# Allegro board DPU_PoE_A1_Oct-13.brd (continued)
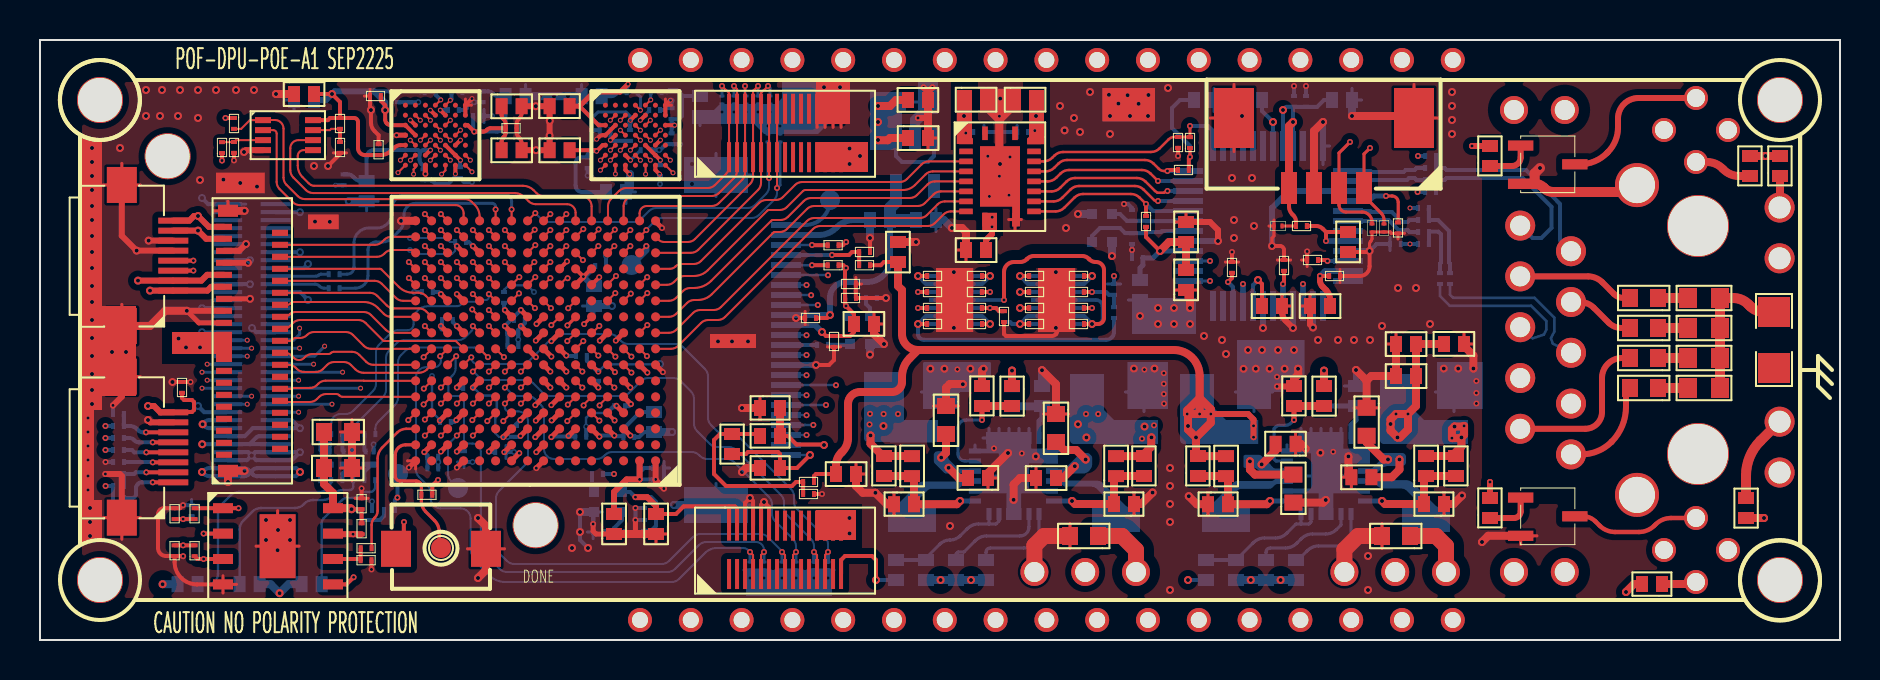
[diagram p0: board, top side]
## Routing (per net, layer and track width the routed paths; a pad name or vN(x,y) marks a point on that pad's centre or on a via; arc(x,y) is an arc through that point) (continued)
  TOP w0.102: U5.F6 v1(27.12,12.62)
  SIG-6 w0.102: v1(38.33,13.24) 37.21,13.24 arc(37.09,13.22) 36.99,13.15 36.97,13.13 arc(36.94,13.11) 36.89,13.1 32.87,13.1 32.79,13.01 32.12,13.01 arc(32.09,13) 32.05,12.98 arc(32.01,12.95) 31.95,12.94 26.83,12.94 arc(26.72,12.98) 26.68,13.09 26.68,13.54 arc(26.6,13.72) 26.42,13.8 26.06,13.8 arc(25.93,13.75) 25.88,13.62 25.88,12.24 arc(25.91,12.17) 25.98,12.14 27.03,12.14 arc(27.1,12.17) 27.13,12.24 27.13,12.61 v1(27.12,12.62)
  BOTTOM w0.125: J7.16 38.32,13.25 v1(38.33,13.24)
DVP_D6: length 17.7
  TOP w0.102: v1(29.57,13.37) U5.G3
  SIG-6 w0.102: v1(29.57,13.37) 30.08,13.37 30.18,13.47 30.18,13.6 30.28,13.7 30.48,13.7 30.59,13.6 30.59,13.47 30.69,13.37 30.89,13.37 30.99,13.47 30.99,13.6 31.09,13.7 31.3,13.7 31.4,13.6 31.4,13.47 31.5,13.37 31.77,13.37 32.2,13.8 32.7,13.8 33.15,14.25 33.38,14.25 33.48,14.15 33.48,13.6 33.58,13.5 33.78,13.5 33.89,13.6 33.89,14.15 33.99,14.25 34.19,14.25 34.29,14.15 34.29,13.6 34.39,13.5 34.6,13.5 34.7,13.6 34.7,14.15 34.8,14.25 35,14.25 35.11,14.15 35.11,13.6 35.21,13.5 35.41,13.5 35.51,13.6 35.51,14.15 35.61,14.25 35.82,14.25 35.92,14.15 35.92,13.6 36.02,13.5 36.22,13.5 36.33,13.6 36.33,14.15 36.43,14.25 36.87,14.25 36.97,14.15 36.97,13.7 37.07,13.6 37.28,13.6 37.38,13.7 37.38,14.15 37.48,14.25 v1(38.33,14.25)
  BOTTOM w0.125: J7.14 v1(38.33,14.25)
DVP_D7: length 17.7
  TOP w0.102: v1(30.34,14.19) U5.H2
  SIG-6 w0.102: v1(30.34,14.19) 30.38,14.15 30.52,14.15 arc(30.63,14.2) 30.68,14.31 30.68,14.43 arc(30.6,14.61) 30.42,14.69 29.58,14.69 arc(29.46,14.71) 29.37,14.78 29.34,14.8 arc(29.31,14.88) 29.34,14.95 29.36,14.97 arc(29.44,15.02) 29.54,15.04 31.17,15.04 arc(31.49,14.9) 31.63,14.58 31.63,14.28 arc(31.69,14.15) 31.82,14.09 31.84,14.09 arc(31.97,14.15) 32.03,14.28 32.03,15.14 arc(31.99,15.25) 31.88,15.29 31.85,15.29 arc(31.72,15.32) 31.61,15.39 31.61,15.39 arc(31.56,15.5) 31.61,15.62 31.62,15.63 arc(31.69,15.67) 31.77,15.69 32.29,15.69 arc(32.42,15.63) 32.48,15.5 32.48,15.41 arc(32.5,15.3) 32.57,15.21 arc(32.67,15.16) 32.77,15.21 32.8,15.24 arc(32.83,15.28) 32.84,15.33 32.84,15.55 arc(32.85,15.6) 32.88,15.64 32.89,15.65 arc(32.93,15.68) 32.98,15.69 33.4,15.69 arc(33.45,15.7) 33.49,15.73 33.51,15.74 arc(33.53,15.78) 33.54,15.83 33.54,15.85 arc(33.55,15.9) 33.58,15.94 33.59,15.95 arc(33.63,15.98) 33.68,15.99 33.7,15.99 arc(33.75,15.98) 33.79,15.95 33.81,15.94 arc(33.84,15.89) 33.85,15.84 33.85,15.82 arc(33.88,15.74) 33.95,15.71 34.04,15.71 arc(34.08,15.72) 34.12,15.74 arc(34.14,15.78) 34.15,15.83 34.15,15.85 arc(34.16,15.9) 34.19,15.94 arc(34.22,15.96) 34.26,15.97 34.35,15.97 arc(34.39,15.96) 34.42,15.94 arc(34.45,15.89) 34.46,15.84 arc(34.5,15.75) 34.58,15.71 34.76,15.71 arc(34.8,15.72) 34.83,15.74 34.98,15.89 arc(35.17,15.97) 35.35,15.89 35.45,15.79 arc(35.54,15.73) 35.64,15.71 35.87,15.71 arc(35.91,15.72) 35.94,15.74 arc(35.97,15.78) 35.98,15.83 35.98,15.85 arc(35.99,15.9) 36.02,15.94 36.03,15.95 arc(36.07,15.98) 36.12,15.99 36.14,15.99 arc(36.19,15.98) 36.23,15.95 36.25,15.93 arc(36.28,15.89) 36.29,15.84 arc(36.33,15.75) 36.42,15.71 36.66,15.71 arc(36.89,15.67) 37.08,15.54 37.23,15.39 arc(37.4,15.28) 37.59,15.24 v1(38.33,15.24)
  BOTTOM w0.125: J7.12 38.33,15.25 v1(38.33,15.24)
DVP_HSYNC: length 18.7
  TOP w0.102: v1(29.57,14.17) U5.H3
  SIG-6 w0.102: v1(38.89,16.75) 38.88,16.74 37.14,16.74 arc(36.95,16.7) 36.78,16.59 36.69,16.5 arc(36.48,16.41) 36.27,16.5 36.26,16.51 arc(36.05,16.59) 35.85,16.51 35.78,16.44 arc(35.63,16.38) 35.48,16.44 35.39,16.53 arc(35.16,16.63) 34.92,16.53 34.81,16.42 arc(34.55,16.31) 34.3,16.42 34.16,16.56 arc(34.02,16.66) 33.84,16.69 33.73,16.69 arc(33.66,16.66) 33.63,16.59 33.63,16.48 arc(33.61,16.4) 33.57,16.33 33.53,16.29 arc(33.48,16.25) 33.42,16.24 33.39,16.24 arc(33.33,16.25) 33.29,16.28 33.27,16.3 arc(33.24,16.34) 33.23,16.4 33.23,16.59 33.16,16.66 32.93,16.66 arc(32.86,16.63) 32.83,16.56 32.83,16.17 arc(32.79,16.08) 32.7,16.04 31.07,16.04 arc(30.83,15.94) 30.73,15.7 30.73,15.68 arc(30.65,15.48) 30.45,15.4 30.1,15.4 arc(30.02,15.44) 29.98,15.52 29.98,16.17 arc(29.92,16.31) 29.78,16.37 29.74,16.37 arc(29.57,16.33) 29.43,16.24 29.41,16.22 arc(29.36,16.09) 29.41,15.96 29.53,15.84 arc(29.6,15.66) 29.53,15.49 arc(29.36,15.38) 29.17,15.34 28.74,15.34 28.62,15.22 28.62,14.88 29.17,14.34 29.17,13.94 29.36,13.79 29.47,13.79 arc(29.58,13.83) 29.62,13.94 29.62,14.12 v1(29.57,14.17)
  BOTTOM w0.125: v1(38.89,16.75) J7.9
DVP_MCLK: length 1.6
  BOTTOM w0.2: R63.2 38.85,14.75 J7.13
DVP_PCLK: length 17.9
  TOP w0.102: v1(28.72,12.62) U5.F4
  SIG-6 w0.102: v1(28.72,12.62) 28.84,12.5 arc(28.95,12.43) 29.09,12.4 32.07,12.4 arc(32.14,12.37) 32.17,12.3 32.17,11.8 arc(32.2,11.73) 32.28,11.7 32.48,11.7 arc(32.55,11.73) 32.58,11.8 32.58,12.3 arc(32.61,12.37) 32.68,12.4 32.89,12.4 arc(32.96,12.37) 32.99,12.3 32.99,11.8 arc(33.02,11.73) 33.09,11.7 33.29,11.7 arc(33.36,11.73) 33.39,11.8 33.39,12.3 arc(33.42,12.37) 33.49,12.4 33.7,12.4 arc(33.77,12.37) 33.8,12.3 33.8,11.8 arc(33.83,11.73) 33.9,11.7 34.1,11.7 arc(34.18,11.73) 34.21,11.8 34.21,12.3 arc(34.24,12.37) 34.31,12.4 34.79,12.4 arc(34.98,12.44) 35.15,12.55 35.19,12.59 arc(35.36,12.7) 35.55,12.74 v1(39.8,12.74)
  BOTTOM w0.125: J7.17 39.79,12.75 v1(39.8,12.74)
DVP_PWDN: length 10.8
  TOP w0.102: v1(30.36,15.74) U5.J2
  SIG-6 w0.102: v1(38.56,17.24) 36.95,17.24 arc(36.79,17.21) 36.66,17.12 36.65,17.11 arc(36.52,17.02) 36.36,16.99 32.94,16.99 arc(32.75,16.95) 32.58,16.84 32.25,16.51 arc(32.09,16.4) 31.89,16.37 30.5,16.37 arc(30.41,16.32) 30.36,16.23 v1(30.36,15.74)
  BOTTOM w0.125: J7.8 38.55,17.25 v1(38.56,17.24)
DVP_RST: length 15.5
  TOP w0.102: v1(27.96,15.71) 27.62,15.36 U5.J5
  SIG-6 w0.102: v1(27.96,15.71) 27.96,15.93 arc(28,16.11) 28.11,16.27 28.63,16.79 arc(28.8,16.9) 28.99,16.94 31.32,16.94 arc(31.51,16.98) 31.68,17.09 32.03,17.44 arc(32.2,17.55) 32.39,17.59 32.57,17.59 arc(32.76,17.63) 32.93,17.74 33.63,18.44 arc(33.8,18.55) 33.99,18.59 36.37,18.59 arc(36.56,18.55) 36.73,18.44 36.78,18.39 arc(36.95,18.28) 37.14,18.24 v1(39.4,18.24)
  BOTTOM w0.125: J7.6 39.39,18.25 v1(39.4,18.24)
DVP_SCL: length 12.4
  TOP w0.102: v1(29.54,17.32) U5.L3
  TOP w0.2: v1(38.6,18.74) R14.2
  SIG-6 w0.102: v1(38.6,18.74) 37.39,18.74 arc(37.24,18.77) 37.11,18.86 37.08,18.89 arc(36.94,18.99) 36.76,19.02 33.64,19.02 arc(33.45,18.98) 33.28,18.87 32.63,18.22 arc(32.56,18.17) 32.47,18.16 32.45,18.16 arc(32.36,18.14) 32.29,18.09 32.04,17.84 arc(31.87,17.73) 31.68,17.69 29.91,17.69 v1(29.54,17.32)
  BOTTOM w0.125: J7.5 38.09,18.75 38.1,18.74 v1(38.6,18.74)
DVP_SDA: length 11.4
  TOP w0.102: v1(30.36,18.14) U5.M2
  TOP w0.2: R12.2 38.61,19.74 v1(38.6,19.75)
  SIG-6 w0.102: v1(30.36,18.14) 30.37,18.15 31.54,18.15 arc(31.73,18.19) 31.9,18.3 32.89,19.29 arc(33.06,19.4) 33.25,19.44 36.05,19.44 arc(36.23,19.47) 36.37,19.57 36.39,19.59 arc(36.57,19.71) 36.78,19.75 v1(38.6,19.75)
  BOTTOM w0.125: J7.3 v1(38.6,19.75)
DVP_VSYNC: length 17.8
  TOP w0.102: v1(28.77,14.17) U5.H4
  SIG-6 w0.102: v1(38.33,17.75) 38.17,17.75 38.16,17.74 36.4,17.74 arc(36.28,17.76) 36.17,17.83 36.07,17.94 arc(35.96,17.98) 35.86,17.94 35.82,17.9 arc(35.78,17.83) 35.76,17.75 35.76,17.73 arc(35.74,17.65) 35.7,17.58 35.66,17.54 arc(35.56,17.5) 35.45,17.54 35.42,17.58 arc(35.37,17.65) 35.35,17.73 35.35,17.75 arc(35.34,17.83) 35.29,17.9 35.25,17.94 arc(35.15,17.98) 35.05,17.94 35.01,17.9 arc(34.96,17.83) 34.95,17.75 34.95,17.73 arc(34.93,17.65) 34.88,17.58 34.85,17.54 arc(34.74,17.5) 34.64,17.54 34.6,17.58 arc(34.56,17.65) 34.54,17.73 34.54,17.75 arc(34.52,17.83) 34.48,17.9 34.44,17.94 arc(34.34,17.98) 34.23,17.94 34.17,17.88 arc(34.02,17.78) 33.84,17.74 33.82,17.74 arc(33.64,17.7) 33.49,17.6 33.33,17.44 arc(33.16,17.33) 32.97,17.29 32.69,17.29 arc(32.5,17.25) 32.33,17.14 32.03,16.84 arc(31.86,16.73) 31.67,16.69 29.3,16.69 arc(29,16.57) 28.88,16.27 28.88,15.82 arc(28.82,15.68) 28.68,15.62 28.66,15.62 arc(28.47,15.58) 28.32,15.48 28.26,15.42 arc(28.13,15.33) 27.96,15.3 27.74,15.3 arc(27.59,15.24) 27.53,15.09 27.53,14.04 arc(27.6,13.86) 27.78,13.79 28.67,13.79 arc(28.74,13.82) 28.77,13.89 v1(28.77,14.17)
  BOTTOM w0.125: v1(38.33,17.75) J7.7
E_CSN: length 18.2
  TOP w0.102: U5.H1 31.55,14.56 arc(31.74,14.6) 31.91,14.71 33.05,15.85 arc(33.22,15.96) 33.41,16 33.89,16 arc(34.08,16.04) 34.25,16.15 38.65,20.55 arc(38.82,20.66) 39.01,20.7 44.39,20.7 arc(44.58,20.74) 44.75,20.85 45.18,21.28 arc(45.35,21.39) 45.54,21.43 U4.9
E_INT: length 17.7
  TOP w0.102: U5.M1 31.35,17.76 arc(31.54,17.8) 31.71,17.91 31.85,18.05 arc(32.02,18.16) 32.21,18.2 32.69,18.2 arc(33.07,18.28) 33.39,18.49 36.37,21.47 arc(36.4,21.49) 36.44,21.5 36.99,21.5 arc(37.18,21.54) 37.35,21.65 38.15,22.45 arc(38.21,22.49) 38.27,22.5 43.15,22.5 arc(43.47,22.56) 43.75,22.75 44.28,23.28 arc(44.45,23.39) 44.64,23.43 U4.5
E_MISO: length 17.9
  TOP w0.102: U4.7 45.04,22.43 arc(44.85,22.39) 44.68,22.28 44.25,21.85 arc(44.08,21.74) 43.89,21.7 38.71,21.7 arc(38.52,21.66) 38.35,21.55 37.35,20.55 arc(37.18,20.44) 36.99,20.4 36.74,20.4 arc(36.7,20.39) 36.67,20.37 33.59,17.29 arc(33.27,17.08) 32.89,17 32.71,17 arc(32.52,16.96) 32.35,16.85 31.81,16.31 arc(31.64,16.2) 31.45,16.16 30.78,16.16
E_MOSI: length 17.8
  TOP w0.102: U5.L1 31.45,16.96 arc(31.64,17) 31.81,17.11 32.15,17.45 arc(32.32,17.56) 32.51,17.6 32.69,17.6 arc(33.16,17.69) 33.56,17.96 36.57,20.97 arc(36.6,20.99) 36.64,21 37.03,21 arc(37.22,21.04) 37.39,21.15 38.19,21.95 arc(38.36,22.06) 38.55,22.1 43.49,22.1 arc(43.68,22.14) 43.85,22.25 44.38,22.78 arc(44.55,22.89) 44.74,22.93 U4.6
E_RST: length 17.6
  TOP w0.102: U4.4 44.44,23.93 arc(44.25,23.89) 44.08,23.78 43.35,23.05 arc(43.18,22.94) 42.99,22.9 38.11,22.9 arc(37.92,22.86) 37.75,22.75 37.15,22.15 arc(36.98,22.04) 36.79,22 36.31,22 arc(36.12,21.96) 35.95,21.85 33.05,18.95 arc(32.88,18.84) 32.69,18.8 32.06,18.8 arc(31.91,18.77) 31.79,18.69 31.77,18.67 arc(31.65,18.59) 31.5,18.56 U5.N1
E_SCLK: length 18.1
  TOP w0.102: U5.J1 31.45,15.36 arc(31.64,15.4) 31.81,15.51 32.65,16.35 arc(32.82,16.46) 33.01,16.5 33.69,16.5 arc(33.88,16.54) 34.05,16.65 38.35,20.95 arc(38.52,21.06) 38.71,21.1 43.99,21.1 arc(44.18,21.14) 44.35,21.25 44.88,21.78 arc(45.05,21.89) 45.24,21.93 U4.8
EN_ME1: length 6.8
  BOTTOM w0.16: 47.45,5.8 46.93,5.8 arc(46.63,5.74) 46.37,5.57 46,5.2 arc(45.78,5.05) 45.52,5 45.48,5 arc(45.22,4.95) 45,4.8 44.3,4.1 R89.1 ; 47.45,5.8 U13.6 ; 47.45,5.8 47.8,5.8 47.95,5.95 U13.5
  BOTTOM w0.2: R90.1 R89.1
EN_ME2: length 6.9
  BOTTOM w0.16: R85.1 60.67,4.87 arc(60.93,5.04) 61.23,5.1 61.77,5.1 arc(62.07,5.16) 62.33,5.33 62.8,5.8 63.05,5.8 ; 63.05,5.8 63.45,5.8 63.55,5.9 U12.5 ; 63.05,5.8 U12.6
  BOTTOM w0.2: R86.1 R85.1
ETH_CSN: length 8.9
  TOP w0.123: U4.12 50.78,21.43 arc(51.01,21.48) 51.21,21.61 51.72,22.12 arc(51.92,22.25) 52.15,22.3 54.55,22.3 arc(54.78,22.25) 54.98,22.12 v1(55.3,21.8)
  TOP w0.2: R11.1 v1(55.3,21.8)
  BOTTOM w0.2: v1(55.3,21.8) 55.65,21.45 U8.32
ETH_INT: length 8.6
  TOP w0.123: U4.16 50.28,23.43 arc(50.51,23.48) 50.71,23.61 50.92,23.82 arc(51.12,23.95) 51.35,24 55.25,24 arc(55.48,23.95) 55.68,23.82 55.94,23.56 arc(56.06,23.48) 56.2,23.45 v1(56.37,23.45)
  TOP w0.2: v1(56.37,23.45) 56.42,23.5 R10.1
  BOTTOM w0.2: U8.36 v1(56.37,23.45)
ETH_MISO: length 8.2
  TOP w0.123: U4.14 50.58,22.43 arc(50.81,22.48) 51.01,22.61 51.32,22.92 arc(51.52,23.05) 51.75,23.1 54.85,23.1 arc(55.08,23.05) 55.28,22.92 55.75,22.45 55.88,22.36 56.19,22.36 v1(56.37,22.45)
  BOTTOM w0.2: U8.34 v1(56.37,22.45)
ETH_MOSI: length 8.1
  TOP w0.123: v1(55.9,22.95) 55.53,23.32 arc(55.33,23.45) 55.1,23.5 51.45,23.5 arc(51.22,23.45) 51.02,23.32 50.81,23.11 arc(50.61,22.98) 50.38,22.93 U4.15
  BOTTOM w0.2: U8.35 v1(55.9,22.95)
ETH_RST: length 10.8
  TOP w0.123: C10.1 56.71,25.15 arc(56.56,25.12) 56.43,25.03 55.98,24.58 arc(55.78,24.45) 55.55,24.4 51.15,24.4 arc(50.92,24.35) 50.72,24.22 50.61,24.11 arc(50.41,23.98) 50.18,23.93 U4.17
  TOP w0.157: C10.1 57.49,25.15 R3.2 v1(57.5,25.7)
  BOTTOM w0.2: v1(57.5,25.7) 58.4,25.7 58.65,25.45 U8.37
ETH_SCLK: length 8.2
  TOP w0.123: U4.13 50.68,21.93 arc(50.91,21.98) 51.11,22.11 51.52,22.52 arc(51.72,22.65) 51.95,22.7 54.75,22.7 arc(54.98,22.65) 55.18,22.52 55.71,21.99 arc(55.75,21.96) 55.81,21.95 v1(55.9,21.95)
  BOTTOM w0.2: U8.33 v1(55.9,21.95)
FP_LED0: length 21.3
  TOP w0.102: U5.M7 26.31,18.09 v1(26.38,18.09)
  TOP w0.2: J3.3 v1(7.67,18.47)
  SIG-6 w0.102: v1(7.67,18.47) 14.02,18.47 arc(14.21,18.43) 14.38,18.32 15.4,17.3 arc(15.57,17.19) 15.76,17.15 19.18,17.15 arc(19.34,17.12) 19.47,17.03 19.48,17.02 arc(19.61,16.93) 19.77,16.9 24.04,16.9 arc(24.22,16.94) 24.38,17.04 24.39,17.05 arc(24.55,17.16) 24.73,17.2 25.27,17.2 arc(25.47,17.23) 25.63,17.34 v1(26.38,18.09)
FP_LED1: length 20
  TOP w0.102: v1(25.52,18.1) U5.M8
  TOP w0.2: J3.4 v1(7.67,18.97)
  SIG-6 w0.102: v1(25.52,18.1) 25.27,17.85 arc(25.1,17.74) 24.91,17.7 16.01,17.7 arc(15.82,17.74) 15.65,17.85 14.68,18.82 arc(14.51,18.93) 14.32,18.97 v1(7.67,18.97)
H1_CKN: length 14.6
  TOP w0.102: U3.B2 v2(28.52,25.99) ; U5.T8 v1(25.52,21.3)
  SIG-6 w0.102: v1(25.52,21.3) 25.52,21.32 25.67,21.47 arc(25.72,21.6) 25.67,21.73 25.13,22.27 arc(25.02,22.43) 24.98,22.63 24.98,27.25 arc(25.14,27.65) 25.54,27.81 28.51,27.81 arc(28.9,27.65) 29.06,27.26 29.06,27.23 arc(28.91,26.88) 28.56,26.73 28.1,26.73 arc(27.95,26.67) 27.89,26.52 27.89,26.15 arc(27.95,26) 28.1,25.94 28.47,25.94 v2(28.52,25.99)
H1_CKP: length 14.8
  TOP w0.102: v1(26.32,21.3) U5.T7 ; v2(29.02,25.99) U3.B3
  SIG-6 w0.102: v2(29.02,25.99) 28.98,25.99 28.71,25.72 arc(28.62,25.66) 28.52,25.64 28.1,25.64 arc(27.74,25.79) 27.59,26.15 27.59,26.52 arc(27.74,26.88) 28.1,27.03 28.56,27.03 arc(28.7,27.09) 28.76,27.23 28.76,27.26 arc(28.68,27.44) 28.51,27.51 25.54,27.51 arc(25.36,27.43) 25.28,27.25 25.28,22.63 arc(25.3,22.55) 25.34,22.48 25.88,21.94 arc(25.99,21.77) 26.03,21.58 26.03,21.58 v1(26.32,21.3)
H1_CS: length 19.4
  TOP w0.102: v1(27.92,19.7) U5.P5 ; v2(30.02,26.49) U3.A4
  SIG-6 w0.102: v2(30.02,26.49) 30.08,26.43 arc(30.12,26.4) 30.18,26.39 33.89,26.39 arc(34.08,26.35) 34.25,26.24 35.24,25.25 arc(35.35,25.08) 35.39,24.89 35.39,22.79 arc(35.35,22.6) 35.24,22.43 33.43,20.62 arc(33.26,20.51) 33.07,20.47 32.04,20.47 arc(31.85,20.43) 31.68,20.32 31.59,20.23 arc(31.42,20.12) 31.23,20.08 30.87,20.08 arc(30.81,20.07) 30.75,20.03 arc(30.73,19.99) 30.72,19.96 30.72,19.47 arc(30.66,19.34) 30.54,19.29 28.49,19.29 arc(28.4,19.3) 28.31,19.33 28.29,19.33 v1(27.92,19.7)
  BOTTOM w0.15: R49.1 29.88,27.29 30.02,27.15 v2(30.02,26.49)
H1_D0: length 15.2
  TOP w0.102: v1(26.32,19.7) U5.P7 ; v2(30.02,24.99) U3.D4
  SIG-6 w0.102: v2(30.02,24.99) 30.1,24.91 arc(30.15,24.8) 30.1,24.68 29.98,24.56 arc(29.95,24.49) 29.98,24.42 30.02,24.38 arc(30.05,24.36) 30.09,24.35 31.45,24.35 arc(31.68,24.3) 31.88,24.17 32.49,23.56 arc(32.57,23.37) 32.49,23.18 32.36,23.05 arc(32.28,22.87) 32.36,22.69 arc(32.39,22.64) 32.4,22.58 arc(32.25,22.22) 31.89,22.07 29.22,22.07 arc(29.08,22.04) 28.96,21.96 28.47,21.47 arc(28.41,21.38) 28.39,21.28 28.39,20.27 arc(28.34,20.16) 28.23,20.11 26.95,20.11 arc(26.86,20.07) 26.82,19.98 26.82,19.88 arc(26.85,19.8) 26.92,19.78 27.34,19.78 arc(27.38,19.77) 27.41,19.74 arc(27.44,19.71) 27.44,19.67 27.44,19.55 arc(27.41,19.48) 27.34,19.45 26.62,19.45 arc(26.55,19.46) 26.49,19.49 26.32,19.66 v1(26.32,19.7)
H1_D1: length 15
  TOP w0.102: v1(25.52,20.5) 25.18,20.16 ; v2(29.02,25.49) U3.D3
  SIG-6 w0.102: v1(25.52,20.5) 25.85,20.83 25.99,20.83 arc(26.05,20.84) 26.11,20.84 26.44,20.84 arc(26.61,20.91) 26.68,21.08 26.68,21.78 arc(26.64,21.97) 26.53,22.14 25.78,22.89 arc(25.67,23.06) 25.63,23.25 25.63,26.34 arc(25.66,26.42) 25.73,26.45 26.31,26.45 arc(26.38,26.48) 26.41,26.55 26.41,26.69 arc(26.38,26.76) 26.31,26.79 25.76,26.79 arc(25.69,26.82) 25.66,26.89 25.66,27.04 arc(25.69,27.12) 25.77,27.15 27.11,27.15 arc(27.24,27.1) 27.29,26.97 27.29,25.68 arc(27.38,25.46) 27.6,25.37 28.91,25.37 arc(28.99,25.4) 29.02,25.48 v2(29.02,25.49)
H1_D2: length 15.1
  TOP w0.102: v2(30.52,25.99) U3.C5 ; v1(29.52,19.7) U5.P3
  SIG-6 w0.102: v1(29.52,19.7) 29.52,19.82 29.62,19.92 29.77,19.92 arc(29.86,19.96) 29.9,20.05 29.9,20.76 arc(29.95,20.87) 30.06,20.92 32.9,20.92 arc(33.09,20.96) 33.26,21.07 34.81,22.62 arc(34.92,22.79) 34.96,22.98 34.96,24.78 arc(34.92,24.97) 34.81,25.14 34.01,25.94 arc(33.84,26.05) 33.65,26.09 30.68,26.09 arc(30.62,26.08) 30.58,26.05 v2(30.52,25.99)
H1_D3: length 15
  TOP w0.102: v2(30.52,24.99) U3.D5 ; v1(28.74,20.52) 28.38,20.16
  SIG-6 w0.102: v2(30.52,24.99) 30.52,24.74 arc(30.55,24.67) 30.62,24.64 31.94,24.64 arc(31.99,24.63) 32.03,24.6 32.04,24.59 arc(32.07,24.55) 32.08,24.5 32.08,24.4 arc(32.13,24.29) 32.24,24.24 32.41,24.24 arc(32.48,24.27) 32.51,24.34 32.51,24.6 arc(32.54,24.68) 32.62,24.71 32.9,24.71 arc(33.02,24.66) 33.07,24.54 arc(33.04,24.41) 32.97,24.3 32.74,24.07 arc(32.69,23.96) 32.74,23.85 32.81,23.78 arc(32.88,23.75) 32.95,23.78 33.13,23.96 33.13,23.98 arc(33.17,24.06) 33.25,24.1 33.33,24.1 33.64,23.79 arc(33.67,23.75) 33.68,23.7 33.68,23.68 arc(33.67,23.63) 33.64,23.58 33.63,23.57 arc(33.58,23.54) 33.53,23.53 33.18,23.53 arc(33.11,23.5) 33.08,23.43 33.08,23.28 arc(33.11,23.21) 33.18,23.18 33.36,23.18 arc(33.43,23.15) 33.46,23.08 33.46,22.94 arc(33.39,22.79) 33.24,22.72 33.22,22.72 arc(33.11,22.75) 33.01,22.81 32.91,22.91 arc(32.83,22.94) 32.76,22.91 32.66,22.81 arc(32.63,22.74) 32.66,22.67 32.84,22.49 arc(32.87,22.42) 32.84,22.35 32.45,21.96 arc(32.28,21.85) 32.09,21.81 29.56,21.81 arc(29.33,21.76) 29.13,21.63 28.92,21.42 arc(28.79,21.22) 28.74,20.99 v1(28.74,20.52)
H1_D4: length 15
  TOP w0.102: v1(28.72,19.7) U5.P4 ; v2(31.02,25.49) U3.D6
  SIG-6 w0.102: v1(28.72,19.7) 29,19.98 29.03,19.98 arc(29.1,20.12) 29.13,20.28 29.13,21.03 arc(29.27,21.38) 29.62,21.52 32.33,21.52 arc(32.52,21.56) 32.69,21.67 33.89,22.87 arc(34.04,23.09) 34.09,23.35 34.09,23.95 arc(34.05,24.06) 33.94,24.11 33.82,24.11 arc(33.69,24.16) 33.63,24.3 33.63,24.35 arc(33.66,24.42) 33.73,24.45 34,24.45 arc(34.07,24.48) 34.1,24.55 34.1,24.7 arc(34.07,24.77) 34,24.8 33.77,24.8 arc(33.7,24.83) 33.67,24.9 33.67,25.07 arc(33.65,25.18) 33.58,25.27 33.57,25.29 arc(33.49,25.32) 33.4,25.29 33.38,25.27 arc(33.34,25.21) 33.33,25.14 33.33,25.12 arc(33.32,25.06) 33.28,25 33.23,24.95 arc(33.14,24.91) 33.05,24.95 33.04,24.96 arc(33.02,25) 33.01,25.04 33.01,25.34 arc(32.98,25.41) 32.91,25.44 32.84,25.44 arc(32.79,25.43) 32.76,25.41 32.49,25.14 arc(32.32,25.03) 32.13,24.99 31.74,24.99 arc(31.55,25.03) 31.38,25.14 31.03,25.49 v2(31.02,25.49)
H1_D5: length 14.7
  TOP w0.102: v1(27.93,20.53) 27.93,20.51 27.58,20.16 ; v2(29.52,24.49) U3.E4
  SIG-6 w0.102: v1(27.93,20.53) 27.92,20.54 27.92,20.79 arc(27.9,20.87) 27.85,20.95 27.84,20.96 arc(27.79,21.03) 27.77,21.12 27.77,21.17 arc(27.8,21.24) 27.87,21.27 27.93,21.27 arc(28.01,21.3) 28.04,21.38 28.04,21.46 arc(28.03,21.51) 28,21.55 27.95,21.6 27.86,21.6 27.76,21.7 arc(27.73,21.78) 27.76,21.85 27.77,21.86 arc(27.84,21.9) 27.92,21.92 28.1,21.92 arc(28.29,21.96) 28.46,22.07 28.83,22.44 arc(29.05,22.53) 29.26,22.44 arc(29.4,22.38) 29.54,22.44 29.6,22.5 arc(29.69,22.56) 29.8,22.58 29.83,22.58 arc(29.93,22.6) 30.02,22.66 30.03,22.67 arc(30.12,22.73) 30.22,22.75 30.39,22.75 arc(30.52,22.69) 30.58,22.56 30.58,22.54 30.68,22.44 arc(30.75,22.41) 30.83,22.44 31.02,22.64 arc(31.06,22.66) 31.1,22.67 31.17,22.67 31.24,22.6 31.24,22.52 arc(31.27,22.45) 31.34,22.42 31.49,22.42 arc(31.56,22.45) 31.59,22.52 31.59,22.75 arc(31.62,22.82) 31.69,22.85 31.8,22.85 arc(31.88,22.87) 31.95,22.91 31.99,22.95 arc(32.12,23.27) 31.99,23.59 31.94,23.64 arc(31.9,23.67) 31.85,23.68 31.41,23.68 arc(31.33,23.64) 31.29,23.56 31.29,23.12 arc(31.26,23.04) 31.19,23.01 30.74,23.01 arc(30.67,23.04) 30.64,23.12 30.64,23.22 arc(30.6,23.4) 30.5,23.56 30.43,23.63 arc(30.27,23.7) 30.1,23.63 29.93,23.46 arc(29.91,23.43) 29.9,23.39 29.9,23.2 arc(29.83,23.04) 29.67,22.97 29.21,22.97 arc(29.14,23) 29.11,23.07 29.11,23.7 29.18,23.77 29.18,23.97 arc(29.21,24.13) 29.3,24.26 29.52,24.48 v2(29.52,24.49)
H1_D6: length 15.3
  TOP w0.102: v2(29.02,24.49) U3.E3 ; v1(27.16,20.54) 26.78,20.16
  SIG-6 w0.102: v1(27.16,20.54) 27.4,20.78 27.4,20.8 arc(27.42,20.87) 27.43,20.95 27.43,22.11 arc(27.39,22.3) 27.28,22.47 26.43,23.32 arc(26.32,23.49) 26.28,23.68 26.28,24.34 arc(26.33,24.45) 26.44,24.5 27.27,24.5 arc(27.34,24.47) 27.37,24.4 27.37,24.28 arc(27.34,24.21) 27.27,24.18 26.71,24.18 arc(26.64,24.15) 26.61,24.08 26.61,23.94 arc(26.64,23.87) 26.71,23.84 27.44,23.84 arc(27.51,23.81) 27.54,23.74 27.54,23.64 arc(27.51,23.56) 27.44,23.54 27.06,23.54 arc(27.01,23.53) 26.98,23.5 26.96,23.49 arc(26.94,23.45) 26.93,23.41 26.93,23.39 arc(26.94,23.34) 26.96,23.31 27.43,22.84 arc(27.53,22.8) 27.62,22.84 27.68,22.89 arc(27.71,22.94) 27.72,23 27.72,23.02 arc(27.73,23.08) 27.76,23.12 arc(27.91,23.18) 28.05,23.12 28.12,23.05 arc(28.18,22.91) 28.12,22.77 28.1,22.74 arc(28.05,22.71) 27.99,22.7 arc(27.83,22.64) 27.77,22.48 27.77,22.44 arc(27.81,22.34) 27.91,22.3 28.09,22.3 arc(28.44,22.45) 28.59,22.8 28.59,22.97 28.39,23.17 28.39,23.52 28.5,23.63 28.62,23.63 28.74,23.75 arc(28.84,23.9) 28.88,24.08 28.88,24.26 arc(28.9,24.34) 28.94,24.41 v2(29.02,24.49)
H1_D7: length 15
  TOP w0.102: v2(28.52,24.49) U3.E2 ; v1(26.32,20.5) 25.98,20.16
  SIG-6 w0.102: v1(26.32,20.5) 26.33,20.51 26.55,20.51 26.93,20.89 arc(27.04,21.06) 27.08,21.25 27.08,22.03 arc(27.04,22.22) 26.93,22.39 26.08,23.24 arc(25.97,23.41) 25.93,23.6 25.93,26.01 arc(25.97,26.1) 26.06,26.14 26.57,26.14 arc(26.64,26.17) 26.67,26.24 26.67,26.41 arc(26.7,26.48) 26.77,26.51 26.92,26.51 arc(26.99,26.48) 27.02,26.41 27.02,25.92 arc(26.99,25.84) 26.91,25.81 26.31,25.81 arc(26.23,25.78) 26.2,25.7 26.2,25.51 arc(26.23,25.44) 26.3,25.41 26.98,25.41 arc(27.06,25.38) 27.09,25.3 27.09,25.18 arc(27.07,25.11) 26.99,25.08 26.35,25.08 arc(26.31,25.08) 26.27,25.05 26.26,25.04 arc(26.24,25) 26.23,24.97 26.23,24.9 arc(26.26,24.83) 26.33,24.8 28.21,24.8 v2(28.52,24.49)
H1_D8: length 15.2
  TOP w0.102: v2(30.52,23.99) U3.F5 ; v1(23.95,17.33) U5.L10
  SIG-3 w0.102: v2(30.52,23.99) 30.52,23.76 arc(30.53,23.71) 30.56,23.66 30.58,23.64 arc(30.61,23.6) 30.62,23.54 30.62,23.26 arc(30.66,23.07) 30.77,22.9 30.94,22.73 arc(31.01,22.55) 30.94,22.38 30.14,21.58 arc(30.06,21.53) 29.97,21.51 29.94,21.51 arc(29.85,21.49) 29.77,21.44 29.26,20.93 arc(29.15,20.76) 29.11,20.57 29.11,19.57 arc(29.15,19.38) 29.26,19.21 29.3,19.17 arc(29.52,18.64) 29.3,18.1 28.9,17.7 28.5,17.7 28.37,17.57 arc(28.15,17.42) 27.88,17.37 25.8,17.37 arc(25.61,17.33) 25.46,17.23 25.36,17.13 arc(25.19,17.02) 25,16.98 24.5,16.98 arc(24.45,16.97) 24.42,16.95 24.4,16.93 arc(24.37,16.91) 24.32,16.9 23.61,16.9 arc(23.54,16.93) 23.51,17 23.51,17.35 arc(23.54,17.42) 23.61,17.45 23.85,17.45 arc(23.92,17.42) 23.95,17.35 v1(23.95,17.33)
H1_D9: length 15
  TOP w0.102: v1(24.73,20.51) 24.38,20.16 ; v2(28.02,23.99) U3.F1
  SIG-3 w0.102: v1(24.73,20.51) 24.4,20.85 24.4,26.52 arc(24.48,26.7) 24.66,26.78 25.12,26.78 arc(25.19,26.81) 25.22,26.88 25.22,26.93 arc(25.25,27) 25.32,27.03 25.53,27.03 arc(25.6,27) 25.63,26.93 25.63,26.88 arc(25.66,26.81) 25.73,26.78 25.93,26.78 arc(26.01,26.81) 26.04,26.88 26.04,26.93 arc(26.07,27) 26.14,27.03 26.34,27.03 arc(26.41,27) 26.44,26.93 26.44,26.88 arc(26.47,26.81) 26.54,26.78 27.13,26.78 arc(27.27,26.72) 27.33,26.58 27.33,26.1 arc(27.36,26.03) 27.43,26 27.83,26 arc(27.9,25.97) 27.93,25.9 27.93,25.69 arc(27.9,25.62) 27.83,25.59 27.43,25.59 arc(27.36,25.56) 27.33,25.49 27.33,24.32 arc(27.43,24.09) 27.66,23.99 v2(28.02,23.99)
H1_D10: length 15
  TOP w0.102: v2(31.52,23.99) U3.F7 ; v1(25.55,16.59) U5.L8
  SIG-3 w0.102: v2(31.52,23.99) 31.52,23.89 31.4,23.77 arc(31.33,23.66) 31.3,23.53 31.3,21.83 arc(31.27,21.76) 31.2,21.73 30.87,21.73 arc(30.71,21.66) 30.64,21.5 30.64,21.17 arc(30.59,21.04) 30.46,20.99 30.02,20.99 arc(29.94,20.96) 29.91,20.88 29.91,20.49 arc(29.94,20.33) 30.03,20.2 30.08,20.15 arc(30.12,20.06) 30.08,19.98 30.03,19.93 arc(29.94,19.8) 29.91,19.64 29.91,19.3 arc(29.94,19.23) 30.01,19.2 30.29,19.2 arc(30.36,19.17) 30.39,19.1 30.39,18.9 arc(30.36,18.83) 30.29,18.8 30.01,18.8 arc(29.94,18.77) 29.91,18.7 29.91,18.49 arc(29.9,18.43) 29.86,18.37 29.86,18.27 arc(29.75,17.97) 29.46,17.8 29.2,17.54 29.2,17.06 arc(29.12,16.87) 28.93,16.79 arc(28.64,16.85) 28.39,17.02 28.37,17.03 arc(28.24,17.09) 28.11,17.03 28.08,17 arc(28.05,16.96) 28.04,16.9 28.04,16.88 arc(28.03,16.82) 28,16.78 27.97,16.75 arc(27.84,16.69) 27.7,16.75 27.67,16.78 arc(27.64,16.82) 27.63,16.88 27.63,16.9 arc(27.62,16.96) 27.59,17 27.56,17.03 arc(27.43,17.09) 27.3,17.03 27.27,17 arc(27.24,16.96) 27.23,16.9 27.23,16.88 arc(27.21,16.82) 27.18,16.78 27.16,16.75 arc(27.02,16.69) 26.89,16.75 26.78,16.86 arc(26.75,16.88) 26.71,16.89 26.6,17 25.95,17 v1(25.55,16.59)
H1_D11: length 14.8
  TOP w0.102: v1(25.52,19.7) U5.P8 ; v2(28.52,23.99) U3.F2
  SIG-3 w0.102: v2(28.52,23.99) 28.52,23.53 arc(28.43,23.3) 28.2,23.21 27.49,23.21 arc(27.3,23.25) 27.13,23.36 26.78,23.71 arc(26.67,23.88) 26.63,24.07 26.63,25.28 arc(26.58,25.41) 26.45,25.46 25.27,25.46 arc(25.16,25.41) 25.11,25.3 25.11,25.09 arc(25.14,25.02) 25.21,24.99 26.16,24.99 arc(26.24,24.95) 26.28,24.87 26.28,24.6 arc(26.25,24.53) 26.18,24.5 25.3,24.5 25.17,24.37 25.17,23.72 25.35,23.54 arc(25.46,23.37) 25.5,23.18 25.5,22.23 arc(25.54,22.04) 25.65,21.87 25.74,21.78 arc(25.86,21.6) 25.9,21.4 25.9,20.08 v1(25.52,19.7)
